# Altium PCB RaspberryHatBoard1.PcbDoc (part 3 of 3) (continued)
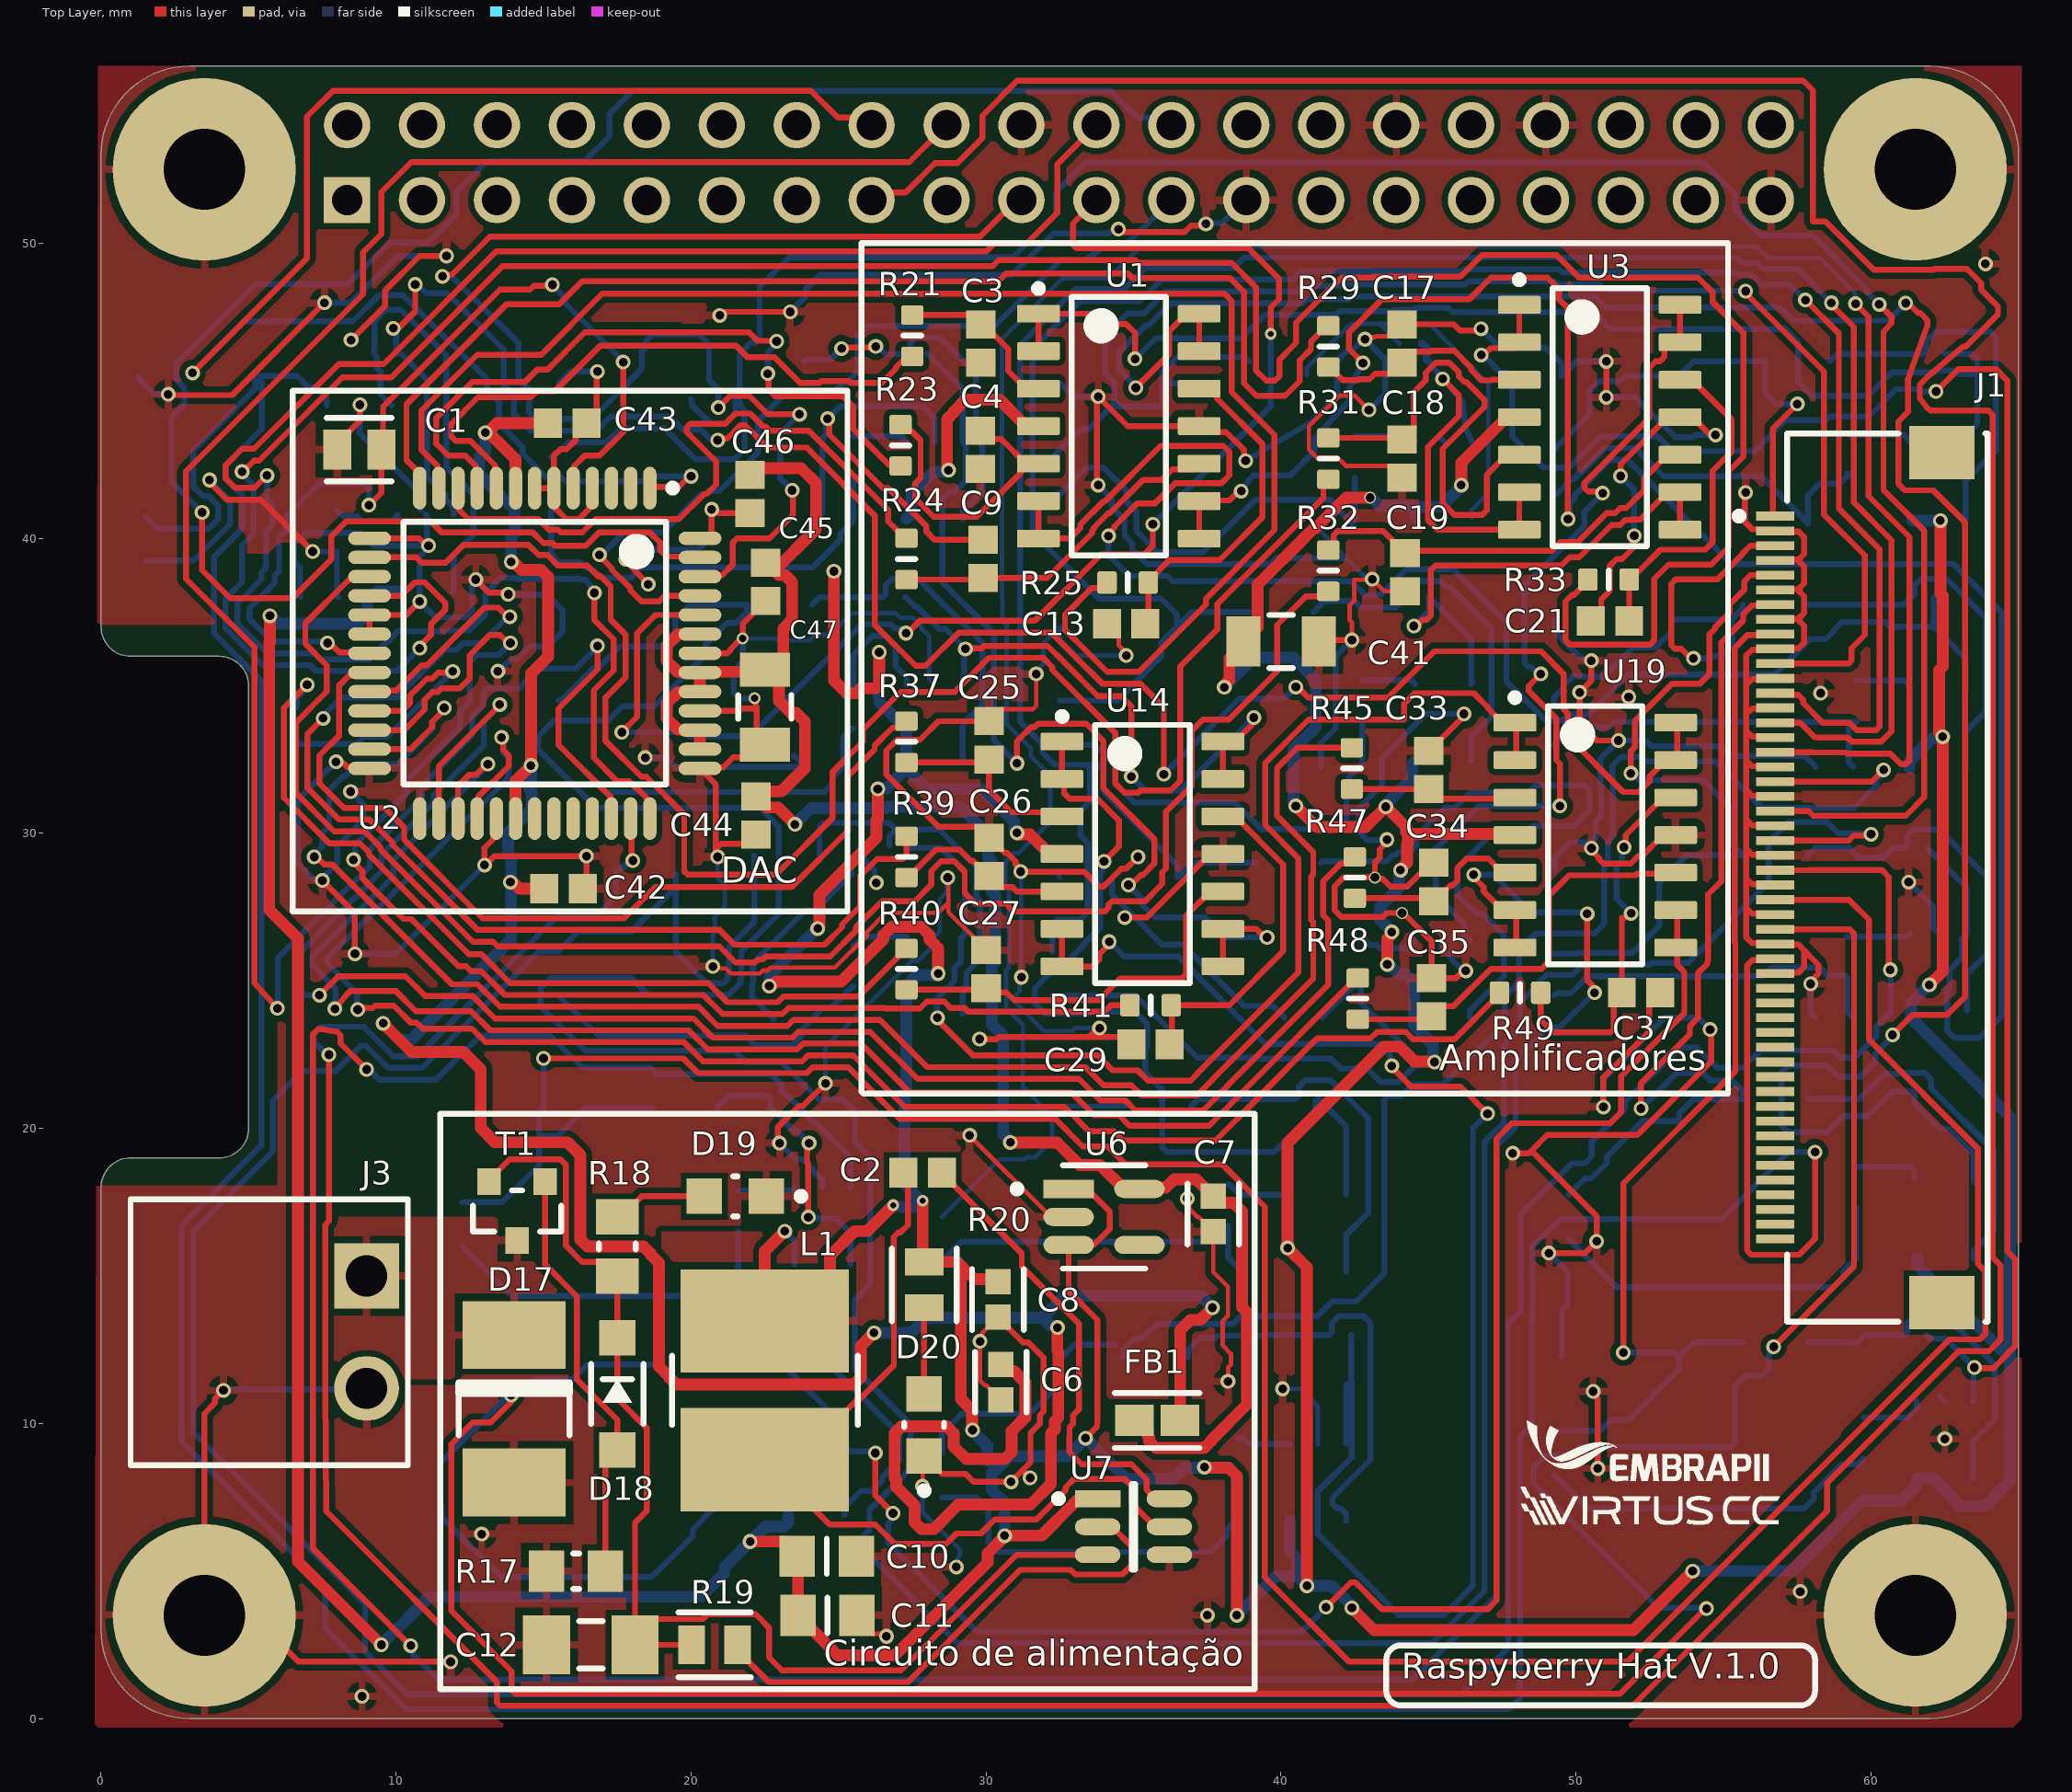
[diagram p0: Top Layer view]
## Nets (pads, with @x,y where several pads share a name; then routed paths per layer and width w, separated by ;. In a path a pad name is that pad's centre, name@x,y a point inside that pad or via, vN(x,y) a via of type N, cw(c..) or ccw(c..) an arc to the next point about the centre after c; other vN are vias at no path point) (continued)
NetC12_1: C12.1 D18.1 R18.2 R19.2 T1.2 U7.3 | length 42
  Top Layer w0.2: T1.2@13.15,18.2 13.15,18.25 13.85,18.95 15.574,18.95 15.75,18.774 15.75,16.027 16.304,15.473 17.027,15.473 R18.2@17.5,15 D18.1@17.5,12.905 17.5,10.844 18.491,9.853 18.491,7.03 18.1,6.639 C12.1@18.1,2.7 ; R19.2@20.024,2.5 C12.1@18.1,2.5 C12.1@18.1,2.7 ; U7.3@33.784,5.55 31.025,5.55 27.114,1.639 23.079,1.639 22.644,2.074 22.644,3.079 22.187,3.536 20.561,3.536 20.399,3.373 18.773,3.373 C12.1@18.1,2.7
NetC13_1: C13.1 R25.2 U1.12 | length 11.8
  Top Layer w0.2: C13.1@35.4,37.1 35.5,37.2 35.5,38.55 36.211,39.261 37.915,39.261 39.375,40.721 39.375,43.184 37.823,44.736 37.823,44.897 37.65,45.07 U1.12@37.225,45.07
NetC14_1: C14.1 CH2_I.1 R26.2 | length 12.3
  Bottom Layer w0.2: CH2_I.1@49.25,33 49.261,33 49.572,33.311 49.742,33.311 50.023,33.592 51.109,33.592 51.297,33.78 R26.2@59.5,33.78 ; C14.1@59.4,32.25 59.247,32.403 59.247,33.577 R26.2@59.45,33.78
NetC15_1: C15.1 CH3_I.1 R27.2 | length 11.9
  Bottom Layer w0.2: CH3_I.1@49.25,24.5 49.327,24.577 49.824,24.577 50.397,25.15 56.316,25.15 56.616,25.45 58.261,25.45 58.52,25.191 59.109,25.191 R27.2@59.2,25.1 59.2,23.95 C15.1@59.4,23.75
NetC16_1: C16.1 CH4_I.1 R28.2 | length 12.7
  Bottom Layer w0.2: CH4_I.1@49.75,16.25 51.381,14.619 58.733,14.619 59.052,14.938 59.052,15.152 C16.1@59.4,15.5 59.5,15.6 R28.2@59.5,17.3
NetC17_1: C17.1 R29.2 U3.3 | length 7.5
  Top Layer w0.2: R29.2@41.6,45.8 41.65,45.8 42.091,45.359 42.592,45.359 42.622,45.389 43.003,45.389 43.188,45.575 43.725,45.575 C17.1@44.1,45.95 ; C17.1@44.125,45.95 44.5,46.325 45.057,46.325 45.081,46.35 45.868,46.35 46.448,45.771 46.448,45.696 46.793,45.35 47.128,45.35 47.153,45.375 48.07,45.375 U3.3@48.075,45.37
NetC18_1: C18.1 R31.2 U3.5 | length 16.2
  Top Layer w0.2: R31.2@41.6,43.4 44.175,43.4 44.5,43.725 44.5,44.951 44.9,45.351 44.9,45.603 45.247,45.95 45.703,45.95 46.025,45.628 46.025,45.487 46.216,45.296 46.282,45.296 46.896,44.682 46.896,44.45 45.481,43.034 45.481,41.189 45.876,40.794 46.824,40.794 46.973,40.943 46.973,42.153 47.65,42.83 U3.5@48.075,42.83
NetC19_1: C19.1 R32.2 U3.10 | length 14.2
  Top Layer w0.2: R32.2@41.6,39.6 41.781,39.781 41.781,40.105 41.925,40.25 43.45,40.25 44.121,39.579 49.179,39.579 49.469,39.869 50.053,39.869 51.034,40.85 51.325,40.85 51.5,41.025 51.703,41.025 52.301,41.624 52.301,42.031 53.1,42.83 U3.10@53.525,42.83
NetC20_1: C20.1 CH5_I.1 R30.1 | length 11.8
  Bottom Layer w0.2: CH5_I.1@49.25,8.25 50.381,7.119 57.733,7.119 58.052,7.438 58.052,7.652 C20.1@58.4,8 ; C20.1@58.4,8.025 58.989,8.614 59.564,8.614 R30.1@59.75,8.8
NetC21_1: C21.1 R33.2 U3.12 | length 11.5
  Top Layer w0.2: C21.1@51.8,37.2 51.8,38.65 52.003,38.853 52.102,38.853 52.862,39.613 54.376,39.613 54.627,39.864 54.627,42.285 55.275,42.933 55.275,44.025 54.123,45.177 54.123,45.197 53.95,45.37 U3.12@53.525,45.37
NetC22_1: C22.1 CH6_I.1 R34.1 | length 15.1
  Bottom Layer w0.2: CH6_I.1@32.25,41.25 33.4,42.4 33.978,42.4 34.75,41.628 34.75,41.25 35.1,40.9 35.1,40.247 35.475,39.872 35.475,39.847 35.797,39.525 37.353,39.525 39.128,41.3 41.699,41.3 41.875,41.124 41.875,41.05 42.413,40.513 42.5,40.6 R34.1@42.5,42.05
NetC23_1: C23.1 CH7_I.1 R35.1 | length 15.1
  Bottom Layer w0.2: CH7_I.1@32.5,33 33.684,33 34.375,32.309 34.375,31.697 35.022,31.05 38.423,31.05 39.323,30.15 42.108,30.15 42.225,30.267 42.225,31.241 42.302,31.318 42.302,31.902 42.75,32.35 R35.1@42.75,33.8
NetC24_1: C24.1 CH8_I.1 R36.1 | length 19.3
  Bottom Layer w0.2: CH8_I.1@32.25,24.5 35.068,24.5 37.168,22.4 39.218,22.4 39.257,22.361 41.689,22.361 42.025,22.025 42.926,22.025 43.38,21.571 43.981,21.571 44.598,22.189 44.598,22.355 42.7,24.253 R36.1@42.7,25 ; C24.1@41.4,23.75 41.4,23.775 42.472,24.847 42.547,24.847 R36.1@42.7,25 ; R36.1@42.75,25.05 R36.1@42.7,25
NetC25_1: C25.1 R37.2 U14.3 | length 6.6
  Top Layer w0.2: R37.2@27.3,32.4 C25.1@30,32.4 ; C25.1@30.1,32.5 30.1,32.4 30.1,31.475 30.862,30.713 32.432,30.713 U14.3@32.575,30.57
NetC26_1: C26.1 R39.2 U14.5 | length 6.3
  Top Layer w0.2: R39.2@27.3,28.5 27.35,28.5 28.3,29.45 29.094,29.45 29.468,29.075 29.55,29.075 30.45,28.175 30.897,28.175 31.047,28.025 32.57,28.025 U14.5@32.575,28.03
NetC27_1: C27.1 R40.2 U14.10 | length 13.6
  Top Layer w0.2: R40.2@27.3,24.7 29.95,24.7 C27.1@30,24.75 30.135,24.615 30.683,24.615 30.948,24.35 33.818,24.35 34.543,25.075 36.631,25.075 36.78,25.224 36.78,27.21 37.6,28.03 U14.10@38.025,28.03
NetC28_1: C28.1 CH9_I.1 R38.1 | length 11.5
  Bottom Layer w0.2: CH9_I.1@28.5,15.5 29.162,16.162 38.2,16.162 ; R38.1@38.2,16.7 38.2,16.162 ; C28.1@38.5,15.35 38.473,15.35 38.2,15.623 38.2,16.162
NetC29_1: C29.1 R41.2 U14.12 | length 11.7
  Top Layer w0.2: R41.2@36.275,24.175 38.244,24.175 40.075,26.006 40.075,28.945 38.45,30.57 U14.12@38.025,30.57 ; C29.1@36.3,22.5 R41.2@36.3,24
NetC30_1: C30.1 CH10_I.1 R42.1 | length 13.4
  Bottom Layer w0.2: CH10_I.1@28.5,7.5 29.668,7.5 30.075,7.093 30.075,5.972 30.397,5.65 37.614,5.65 38.152,6.188 38.152,6.402 C30.1@38.5,6.75 R42.1@38.5,8.1
NetC31_1: C31.1 CH11_I.1 R43.1 | length 14.8
  Bottom Layer w0.2: CH11_I.1@15.25,41.25 15.25,39.461 15.522,39.189 16.258,39.189 16.447,39 16.565,39 16.677,38.888 16.734,38.888 16.964,38.658 17.948,38.658 18.309,39.019 24.133,39.019 25.052,39.938 25.052,40.152 C31.1@25.4,40.5 25.5,40.6 R43.1@25.5,42.05
NetC32_1: C32.1 CH12_I.1 R44.1 | length 12.3
  Bottom Layer w0.2: CH12_I.1@15.5,33 17.1,31.4 24.514,31.4 24.802,31.688 24.802,31.902 C32.1@25.15,32.25 25.15,33.25 25.45,33.55 R44.1@25.5,33.55
NetC33_1: C33.1 R45.2 U19.3 | length 5.7
  Top Layer w0.2: R45.2@42.4,31.5 C33.1@45,31.5 45.33,31.17 U19.3@47.975,31.17
NetC34_1: C34.1 R47.2 U19.5 | length 6.6
  Top Layer w0.2: R47.2@42.5,27.8 44.9,27.8 45,27.7 45.2,27.7 45.725,28.225 45.799,28.225 45.975,28.401 45.975,28.828 46.297,29.15 47.02,29.15 47.54,28.63 U19.5@47.975,28.63
NetC35_1: C35.1 R48.2 U19.10 | length 14.2
  Top Layer w0.2: R48.2@42.6,23.7 45,23.7 45.448,24.148 45.848,24.148 47.109,25.409 48.828,25.409 49.081,25.662 49.081,27.892 49.767,28.578 52.015,28.578 52.067,28.63 U19.10@53.425,28.63
NetC36_1: C36.1 CH13_I.1 R46.1 | length 11.6
  Bottom Layer w0.2: CH13_I.1@15.5,24.5 16.859,23.141 21.845,23.141 22.167,22.819 23.433,22.819 23.752,23.138 23.752,23.352 C36.1@24.1,23.7 ; C36.1@24.1,23.725 24.448,24.073 24.723,24.073 25.45,24.8 R46.1@25.5,24.8
NetC37_1: C37.1 R49.2 U19.12 | length 13.1
  Top Layer w0.2: R49.2@48.8,24.6 48.8,23.675 49.225,23.25 51.158,23.25 51.275,23.367 51.275,24.325 C37.1@51.55,24.6 51.55,27.142 51.651,27.142 51.8,27.29 v1(51.866,27.29) ; v1(51.622,29.528) 51.679,29.586 51.679,29.939 52.91,31.17 U19.12@53.425,31.17
  Bottom Layer w0.2: v1(51.622,29.528) 51.564,29.471 51.564,29.068 51.375,28.878 51.375,27.782 v1(51.866,27.29)
NetC38_1: C38.1 CH14_I.1 R50.1 | length 11.9
  Bottom Layer w0.2: CH14_I.1@12.25,16 13.931,14.319 20.983,14.319 21.302,14.638 21.302,14.852 C38.1@21.65,15.2 21.6,15.25 R50.1@21.6,16.5
NetC39_1: C39.1 CH15_I.1 R51.1 | length 12.8
  Bottom Layer w0.2: CH15_I.1@11.5,7.25 11.54,7.21 11.54,6.835 13.575,4.8 18.664,4.8 20.052,6.188 20.052,6.402 C39.1@20.4,6.75 20.4,6.775 20.748,7.123 21.069,7.123 21.651,7.705 R51.1@21.701,7.705
NetC40_1: C40.1 CH16_I.1 R52.1 | length 12
  Top Layer w0.2: v1(3.677,41.974) 3.677,41.897 4.269,41.305 5.42,41.305 v1(7.175,39.55)
  Bottom Layer w0.2: CH16_I.1@1.5,39.25 3.143,39.25 4.375,40.482 4.375,41.277 v1(3.677,41.974) ; v1(7.175,39.55) 7.85,39.55 R52.1@7.884,39.584 ; R52.1@8,39.55 8,38.05 C40.1@8.05,38
NetD18_2: D18.2 R17.2 T1.1 | length 14.4
  Top Layer w0.2: T1.1@15.05,18.2 15.05,15.389 16.131,14.308 16.131,11.494 17.5,10.125 D18.2@17.5,9.095 17.1,8.695 R17.2@17.1,5
NetD19_2: D19.2 R18.1 | length 3.2
  Top Layer w0.2: R18.1@17.5,17 17.625,17 18.325,17.7 D19.2@20.45,17.7
NetD20_2: D20.2 R20.1 | length 2.9
  Top Layer w0.2: D20.2@27.9,11 R20.1@27.9,13.924
NetR19_1: R19.1 U7.2 | length 17.8
  Top Layer w0.2: R19.1@21.576,2.5 21.576,2.298 22.636,1.239 27.348,1.239 31.151,5.042 32.867,5.042 33.023,4.886 34.623,4.886 34.935,5.199 34.935,5.836 34.271,6.5 U7.2@33.784,6.5
NetR21_2: R21.2 U2.9 | length 20.4
  Top Layer w0.2: U2.9@13.4,41.7 13.352,41.748 13.352,42.47 12.516,43.306 12.013,43.306 11.864,43.455 11.864,43.864 12.781,44.781 14.572,44.781 14.768,44.977 15.374,44.977 16.917,46.52 21.527,46.52 21.917,46.13 22.828,46.13 23.689,45.269 24.349,45.269 24.402,45.322 25.346,45.322 25.399,45.269 26.469,45.269 26.947,45.747 26.947,45.797 27.15,46 R21.2@27.2,46
NetR22_2: R22.2 U8.1 | length 2.1
  Bottom Layer w0.2: R22.2@59.25,43.5 61.127,43.5 61.3,43.327 U8.1@61.3,43.3
NetR23_1: R23.1 U2.10 | length 23.9
  Top Layer w0.2: U2.10@12.75,41.7 12.712,41.738 12.712,42.376 12.702,42.387 12.702,42.449 12.349,42.802 11.762,42.802 11.36,43.204 11.36,44.073 12.576,45.289 14.362,45.289 14.782,45.71 15.13,45.71 16.395,46.974 21.966,46.974 22.25,46.69 22.886,46.69 v1(22.9,46.676) ; v1(22.6,45.58) 22.624,45.556 22.624,45.03 22.844,44.81 24.608,44.81 24.612,44.814 25.135,44.814 25.505,44.445 25.505,43.685 26.702,42.488 R23.1@27.112,42.488
  Bottom Layer w0.2: v1(22.6,45.58) 22.6,46.294 22.9,46.594 v1(22.9,46.676)
NetR24_1: R24.1 U2.11 | length 22.4
  Top Layer w0.2: U2.11@12.1,41.7 12.138,41.662 12.138,40.955 12.447,40.646 14.826,40.646 15.18,40.292 15.485,40.292 15.583,40.194 16.31,40.194 16.762,40.646 19.59,40.646 20.444,41.5 20.528,41.5 20.85,41.822 20.85,42.597 19.855,43.592 19.855,43.758 19.972,43.875 21.153,43.875 21.505,44.227 22.002,44.227 22.451,43.779 22.527,43.779 22.658,43.648 23.986,43.648 26.677,40.957 26.677,40.573 27.25,40 R24.1@27.3,40
NetR25_1: R25.1 U2.12 | length 52.6
  Top Layer w0.2: U2.12@11.45,41.7 11.412,41.738 11.412,42.376 11.402,42.387 11.402,42.449 10.856,42.995 10.856,44.331 12.743,46.218 14.92,46.218 16.989,48.287 38.076,48.287 38.157,48.206 38.163,48.206 38.327,48.042 38.327,44.95 39.775,43.502 39.775,40.275 37.447,37.947 37.447,37.748 35.174,35.475 34.1,35.475 33.45,36.125 32.675,36.9 32.675,37.402 33.59,38.317 33.917,38.317 R25.1@34.1,38.5
NetR26_1: R26.1 U9.1 | length 2.1
  Bottom Layer w0.2: R26.1@59.5,35.18 61.127,35.18 61.3,35.007 U9.1@61.3,34.8
NetR27_1: R27.1 U10.1 | length 2.2
  Bottom Layer w0.2: R27.1@59.2,26.5 61.25,26.5 U10.1@61.35,26.6
NetR28_1: R28.1 U11.1 | length 2.3
  Bottom Layer w0.2: R28.1@59.5,18.7 61.317,18.7 61.467,18.55 U11.1@61.467,18.3
NetR29_1: R29.1 U2.13 | length 41.2
  Top Layer w0.2: U2.13@10.8,41.7 10.736,41.764 10.736,42.264 10.352,42.648 10.352,44.54 13.736,47.924 15.521,47.924 16.31,48.713 30.424,48.713 30.69,48.979 34.795,48.979 34.95,48.824 38.263,48.824 38.746,48.342 38.746,45.25 39.165,44.831 40.131,44.831 40.631,45.331 40.631,46.028 41.013,46.41 41.013,46.663 41.55,47.2 R29.1@41.6,47.2
NetR30_2: R30.2 U4.1 | length 2.2
  Bottom Layer w0.2: R30.2@59.75,10.2 61.25,10.2 61.55,10.5 U4.1@61.55,10.75
NetR31_1: R31.1 U2.15 | length 56.9
  Top Layer w0.2: U2.15@9.1,39.35 10.684,39.35 10.861,39.173 11.68,39.173 12.278,39.771 14.493,39.771 14.834,39.43 15.128,39.43 15.488,39.07 16.488,39.07 16.835,38.722 16.927,38.722 17.275,38.375 17.275,37.244 17.775,36.744 17.775,35.275 17.1,34.6 17.1,33.131 18.306,31.925 18.478,31.925 19.769,30.634 19.769,28.717 19.886,28.6 22.875,28.6 24.8,30.525 24.8,32.085 25.82,33.105 25.82,33.515 27.099,34.794 28.935,34.794 30.091,35.95 31.928,35.95 32.25,35.628 32.25,35.535 34.375,33.41 34.375,31.697 34.697,31.375 35.153,31.375 35.228,31.45 36.253,31.45 36.575,31.772 36.575,35.652 37.847,36.924 37.847,37.782 41.435,41.37 41.435,41.835 R31.1@41.6,42
NetR32_1: R32.1 U2.16 | length 57.4
  Top Layer w0.2: U2.16@8.9,38.662 8.495,38.662 8.407,38.575 8.383,38.575 6.925,37.117 6.925,36.422 7.65,35.697 7.65,34.803 6.6,33.753 6.6,31.366 7.9,30.065 8.936,30.065 9.475,29.527 9.475,29.451 12.601,26.325 13.285,26.325 13.445,26.165 20.965,26.165 21.505,25.625 22.177,25.625 22.277,25.725 22.429,25.725 22.529,25.825 24.718,25.825 25.584,26.691 25.584,26.814 26.47,27.7 27.586,27.7 28.15,28.264 28.15,28.728 28.472,29.05 28.928,29.05 29.277,28.701 29.277,27.974 29.626,27.625 30.683,27.625 30.8,27.508 30.8,27.477 30.917,27.36 34.033,27.36 34.15,27.477 34.15,27.583 34.267,27.7 35.388,27.7 35.975,28.287 35.975,28.681 36.1,28.807 36.1,30.732 36.975,31.607 36.975,33.479 37.349,33.853 38.225,33.853 39.867,35.495 39.867,37.061 40.839,38.032 41.432,38.032 R32.1@41.6,38.2
NetR33_1: R33.1 U2.17 | length 97.3
  Top Layer w0.2: v1(4.78,42.255) 4.805,42.255 5.182,42.632 5.354,42.632 8.175,45.453 9.84,45.453 13.604,49.217 30.216,49.217 30.424,49.425 35.062,49.425 35.159,49.328 38.325,49.328 39.146,48.507 39.146,45.689 39.496,45.339 39.792,45.339 39.941,45.488 39.941,46.051 40.509,46.619 40.509,47.304 42.039,48.834 43.104,48.834 43.13,48.86 46.077,48.86 46.808,49.591 49.342,49.591 49.751,49.182 50.099,48.834 54.129,48.834 54.634,48.329 54.634,47.997 55.675,46.956 55.675,42.767 55.175,42.267 55.175,39.699 54.585,39.109 53.134,39.109 52.652,38.627 52.652,36.544 52.508,36.4 49.786,36.4 49.644,36.542 49.644,37.858 49.867,38.081 49.931,38.081 50.4,38.55 R33.1@50.4,38.6 ; U2.17@9.1,38.05 10.177,38.05 10.633,38.506 10.967,38.506 11.677,37.796 11.677,37.586 11.182,37.091 11.182,36.72 10.801,36.34 v1(10.801,36.273)
  Bottom Layer w0.2: v1(4.78,42.255) 4.78,42.192 5.175,41.797 5.175,40.15 4.785,39.76 4.785,38.519 4.225,37.959 4.225,36.941 5.466,35.7 7.082,35.7 7.282,35.5 10.028,35.5 v1(10.801,36.273)
NetR34_2: R34.2 U5.1 | length 2.1
  Bottom Layer w0.2: R34.2@42.5,43.45 44.4,43.45 U5.1@44.55,43.3
NetR35_2: R35.2 U12.1 | length 1.9
  Bottom Layer w0.2: R35.2@42.75,35.2 44.4,35.2 U12.1@44.55,35.05
NetR36_2: R36.2 U13.1 | length 2
  Bottom Layer w0.2: R36.2@42.75,26.45 42.98,26.22 43.239,26.22 43.352,26.106 44.3,26.106 44.5,26.306 U13.1@44.5,26.35
NetR37_1: R37.1 U2.21 | length 30.8
  Top Layer w0.2: U2.21@9.1,35.45 8.532,35.45 8.407,35.325 8.383,35.325 8.075,35.017 8.075,33.315 7.4,32.64 7.4,31.697 8.232,30.865 9.609,30.865 10.275,30.2 10.275,29.783 12.933,27.125 17.725,27.125 18.775,28.175 23.4,28.175 25.308,30.083 25.308,31.931 26.22,32.843 26.22,32.972 26.818,33.57 27.07,33.57 R37.1@27.3,33.8
NetR38_2: R38.2 U15.1 | length 2.2
  Bottom Layer w0.2: R38.2@38.2,18.1 38.25,18.1 38.6,17.75 U15.1@40.3,17.75
NetR39_1: R39.1 U2.22 | length 41.6
  Top Layer w0.2: v1(7.525,33.9) 7,33.375 7,31.532 8.066,30.465 9.102,30.465 9.875,29.692 9.875,29.617 12.767,26.725 20.97,26.725 21.47,26.225 24.523,26.225 25.125,26.827 25.125,26.921 25.728,27.523 25.728,28.55 26.308,29.13 27.183,29.13 27.3,29.247 R39.1@27.3,29.9 ; U2.22@9.1,34.8 9.138,34.838 9.997,34.838 10.856,35.696 11.04,35.696 12.994,37.65 13.466,37.65 13.773,37.343 v1(13.854,37.343)
  Bottom Layer w0.2: v1(7.525,33.9) 7.525,33.975 8.15,34.6 10.025,34.6 11.64,36.215 12.042,36.215 12.271,36.444 12.891,36.444 13.79,37.343 v1(13.854,37.343)
NetR40_1: R40.1 U2.23 | length 41
  Top Layer w0.2: v1(6.986,35.036) 6.2,34.25 6.2,31.2 7.735,29.665 8.771,29.665 9.075,29.361 9.075,29.285 12.46,25.9 12.893,25.9 13.868,24.925 20.583,24.925 21.233,24.275 22.933,24.275 23.133,24.475 25.675,24.475 R40.1@27.3,26.1 ; U2.23@9.1,34.15 10.206,34.15 10.465,34.409 10.465,34.663 11.044,35.242 11.229,35.242 11.426,35.439 11.872,35.439 v1(11.92,35.486)
  Bottom Layer w0.2: v1(6.986,35.036) 6.986,34.955 6.641,34.61 6.641,34.313 6.5,34.171 6.5,33.222 6.692,33.03 8.679,33.03 8.924,33.275 9.708,33.275 v1(11.92,35.486)
NetR41_1: R41.1 U2.24 | length 45.8
  Top Layer w0.2: v1(8.557,29.102) 8.557,29.021 8.859,28.718 8.859,28.485 10.247,27.096 10.517,27.096 12.114,25.5 12.367,25.5 12.537,25.33 12.882,25.33 13.687,24.525 20.417,24.525 21.067,23.875 23.098,23.875 23.298,24.075 26.572,24.075 26.577,24.07 27.756,24.07 27.986,24.3 28.578,24.3 28.803,24.075 29.276,24.075 29.401,23.95 34.006,23.95 34.056,24 ; U2.24@9.1,33.5 10.274,33.5 10.973,34.198 10.973,34.529 11.232,34.788 11.417,34.788 11.538,34.909 12.159,34.909 12.497,35.247 12.497,36.041 13.175,36.719 13.525,36.719 13.794,36.45 v1(13.875,36.45) ; 34.131,24.075 34.231,24.175 R41.1@34.875,24.175
  Bottom Layer w0.2: v1(8.557,29.102) 8.614,29.159 8.614,29.614 10.374,31.374 10.374,31.816 12.175,33.617 12.175,34.134 12.497,34.456 12.497,35.812 12.728,36.044 13.469,36.044 v1(13.875,36.45)
NetR42_2: R42.2 U16.1 | length 1.9
  Bottom Layer w0.2: R42.2@38.5,9.5 38.71,9.5 38.91,9.3 U16.1@40.3,9.3
NetR43_2: R43.2 U17.1 | length 1.9
  Bottom Layer w0.2: R43.2@25.5,43.45 27.127,43.45 27.3,43.277 U17.1@27.3,43.25
NetR44_2: R44.2 U18.1 | length 4.4
  Bottom Layer w0.2: R44.2@25.5,34.95 25.5,36.042 26.147,36.689 26.603,36.689 26.925,36.367 26.925,35.675 27.3,35.3 U18.1@27.3,35.05
NetR45_1: R45.1 U2.25 | length 60.5
  Top Layer w0.2: v1(7.225,29.2) 7.306,29.2 7.556,28.95 7.828,28.95 11.894,24.884 12.762,24.884 13.521,24.125 20.252,24.125 20.902,23.475 23.264,23.475 23.464,23.675 26.406,23.675 28.004,22.077 33.367,22.077 33.983,21.461 34.929,21.461 35.279,21.111 37.143,21.111 37.664,21.632 37.664,21.651 41.091,25.078 41.091,26.992 41.02,27.063 41.02,28.537 41.091,28.608 41.091,29.366 39.859,30.598 39.859,32.209 40.55,32.9 R45.1@42.4,32.9 ; U2.25@9.1,32.85 10.483,32.85 11.222,33.588 11.222,33.777 11.63,34.185 v1(11.63,34.252)
  Bottom Layer w0.2: v1(7.225,29.2) 7.225,29.281 7.497,29.553 7.497,29.997 7.734,30.234 7.734,31.468 8.191,31.925 8.253,31.925 8.678,32.35 10.05,32.35 11.255,33.555 11.255,33.81 11.63,34.185 v1(11.63,34.252)
NetR46_2: R46.2 U20.1 | length 1.9
  Bottom Layer w0.2: R46.2@25.5,26.2 25.55,26.2 25.85,26.5 U20.1@27.3,26.5
NetR47_1: R47.1 U2.28 | length 61.2
  Top Layer w0.2: v1(7.4,24.512) 8.044,25.156 10.319,25.156 10.991,24.484 12.597,24.484 13.356,23.725 20.086,23.725 20.736,23.075 23.43,23.075 23.63,23.275 26.077,23.275 27.675,21.677 33.147,21.677 33.871,20.953 34.718,20.953 35.068,20.603 37.354,20.603 38.172,21.421 38.172,21.44 41.599,24.867 41.599,27.049 41.42,27.228 41.42,28.372 42.018,28.97 42.27,28.97 R47.1@42.5,29.2 ; U2.28@11.45,30.5 11.45,32.278 13.511,34.339 v1(13.511,34.367)
  Bottom Layer w0.2: v1(7.4,24.512) 6.883,24.512 6.765,24.63 6.765,25.986 8.588,27.808 8.606,27.808 9.507,28.708 9.507,29.269 11.278,31.04 11.278,31.295 12.975,32.992 12.975,33.803 13.511,34.339 v1(13.511,34.367)
NetR48_1: R48.1 U2.29 | length 52.6
  Top Layer w0.2: v1(7.926,24.051) 8.342,24.554 8.44,24.652 9.997,24.652 10.673,23.976 12.539,23.976 13.19,23.325 19.92,23.325 20.57,22.675 23.595,22.675 23.795,22.875 25.765,22.875 27.424,21.216 32.89,21.216 33.661,20.445 34.508,20.445 34.858,20.095 37.564,20.095 38.68,21.211 38.68,21.23 42.55,25.1 R48.1@42.6,25.1 ; U2.29@12.1,30.5 12.1,31.606 12.472,31.978 12.7,31.978 13.067,32.345 v1(13.11,32.345)
  Bottom Layer w0.2: v1(7.926,24.051) 7.95,24.075 7.95,24.74 7.165,25.525 7.165,25.82 8.753,27.408 8.772,27.408 9.907,28.542 9.907,29.103 13.11,32.307 v1(13.11,32.345)
NetR49_1: R49.1 U2.30 | length 58.8
  Top Layer w0.2: v1(8.7,24.025) 8.757,24.082 9.207,24.082 9.284,24.16 9.924,24.16 10.507,23.576 10.702,23.576 10.903,23.375 12.574,23.375 13.024,22.925 19.755,22.925 20.405,22.275 23.761,22.275 23.961,22.475 25.493,22.475 27.243,20.725 32.663,20.725 33.487,19.901 34.334,19.901 34.647,19.587 37.774,19.587 39.188,21.001 39.188,21.019 41.219,23.05 43.036,23.05 43.258,23.271 44.229,23.271 44.476,23.025 45.875,23.025 47.4,24.55 R49.1@47.4,24.6 ; U2.30@12.75,30.5 12.788,30.538 12.788,31.245 13.823,32.28 13.823,32.631 13.632,32.822 13.632,33.193 v1(13.575,33.25)
  Bottom Layer w0.2: v1(8.7,24.025) 8.681,24.044 8.681,24.575 7.666,25.59 7.666,25.755 8.919,27.008 8.938,27.008 13.823,31.893 13.823,32.545 13.632,32.735 13.632,33.193 v1(13.575,33.25)
NetR50_2: R50.2 U21.1 | length 1.9
  Bottom Layer w0.2: R50.2@21.6,17.9 23.4,17.9 U21.1@23.5,18
NetR51_2: R51.2 U22.1 | length 1.9
  Bottom Layer w0.2: R51.2@21.701,9.105 23.127,9.105 23.3,9.278 U22.1@23.3,9.5
NetR52_2: R52.2 U23.1 | length 2.3
  Bottom Layer w0.2: R52.2@8,40.95 8.211,40.739 8.68,40.739 8.85,40.569 9.85,40.569 10.05,40.769 U23.1@10.05,40.8
VCC: D17.1 J3.1 T1.3
pads on no net: J1.33 J1.34 J1.35 J1.36 J1.37 J1.38 J1.39 J1.40 J1.41 J1.42 J1.43 J1.44 J1.45 J1.46 J1.47 J1.48 J1.49 J1.50 J1.51 J1.52 P1.1 P1.2 P1.3 P1.4 P1.5 P1.7 P1.8 P1.9 P1.10 P1.11 P1.12 P1.13 P1.17 P1.26 P1.27 P1.28 P1.29 P1.31 P1.32 P1.33 P1.35 P1.36 P1.37 P1.38 P1.40 U2.2 U2.3 U2.33 U2.34 U2.35 U2.36 U6.4

## Polygon pours and split planes (outlines as drawn)
GND on Top Layer "GND_L01_P008" (solid, remove dead copper, pour order 8): -0.1,56 65.1,56 65.1,0 64.8,-0.3 -0.2,-0.3
VCC on Top Layer "VCC_L01_P006" (solid, pour order 6): 7,17 16.5,17 16.5,11.5 15.5,11.5 7,11.5
+5V_Ext on Top Layer "+5V_EXT_L01_P007" (solid, pour order 7): 19,11.5 29,11.5 29,15.775 34.5,15.775 34.5,19 31.5,19 31.5,16.5 19,16.5 19,15.5
GND on Bottom Layer "3" (solid, remove dead copper, pour order 9): 65.062,55.958 -0.438,55.958 -0.438,-0.042 65.062,-0.042
+5V_Ext on Bottom Layer "+5V_EXT_L02_P011" (solid, remove dead copper, pour order 11): 45.15,41.9 45.125,41.875 45.125,22.55 43.725,22.55 43.65,22.625 41.925,20.9 41.925,5.35 39.05,5.35 39.05,19.975 43.9,24.825 43.9,41.9
+5V_Ext on Bottom Layer "+5V_EXT_L02_P012" (solid, remove dead copper, pour order 12): 9.1,37.25 9.35,37.5 9.35,39.5 25.862,39.5 26.6,40.238 26.6,42.225 28.325,42.225 28.6,41.95 28.6,16.575 26.25,16.575 26.175,16.65 23.75,14.225 22.525,14.225 22.75,14.45 22.75,18.525 26.075,18.525 26.675,19.125 26.675,37.55 9.4,37.55 9.325,37.625
+5V_Ext on Bottom Layer "+5V_EXT_L02_P010" (solid, pour order 10): 62.325,41.65 62.3,41.625 60.35,41.625 60.35,7.175 60.45,7.075 60.475,7.1 62.75,7.1 62.75,41.65 62.725,41.675

## Other copper
Top Layer:
  pour cut-out: 46,21.25 46,3.75 43.5,3.75 43.5,21.25
  pour cut-out: -0.019,37.059 5.981,37.059 5.981,18.059 -0.019,18.059
Bottom Layer:
  pour cut-out: -0.5,37 5.5,37 5.5,18 -0.5,18
  pour cut-out: 46,21 46,3.5 43.5,3.5 43.5,21

## Silkscreen, mask and mechanical layers (free items; w line width, h text height)
Top Overlay:
  drawing of 44 lines, arcs and shapes, not listed
  text "DAC" at 21,28.017 h1.52
  text "Amplificadores" at 45.35,21.671 h1.52
  text "Circuito de alimentação" at 24.5,1.491 h1.5
  text "Raspyberry Hat V.1.0" at 44.075,1.058 h1.5
Bottom Overlay:
  lines w0.2: 0.25,37 0.25,47.371 13.5,47.371 13.5,37 0.25,37 ; 10.75,5.75 10.75,13.621 26.625,13.621 26.625,5.75 10.75,5.75 ; 10.75,14.25 10.75,22.121 26.625,22.121 26.625,14.25 10.75,14.25 ; 14.23,22.75 14.23,30.621 30.75,30.621 30.75,22.75 14.23,22.75 ; 14.23,31.25 14.23,39.121 30.75,39.121 30.75,31.25 14.23,31.25 ; 14.23,39.5 14.23,47.371 30.75,47.371 30.75,39.5 14.23,39.5 ; 27.23,5.75 27.23,13.621 43.5,13.621 43.5,5.75 27.23,5.75 ; 27.23,14.25 27.23,22.121 43.501,22.121 43.501,14.25 27.23,14.25 ; 31.23,22.75 31.23,30.621 47.75,30.621 47.75,22.75 31.23,22.75 ; 31.23,31.25 31.23,39.121 47.75,39.121 47.75,31.25 31.23,31.25 ; 31.23,39.5 31.23,47.371 47.75,47.371 47.75,39.5 31.23,39.5 ; 48.23,7 48.23,14.121 64.75,14.121 64.75,7 48.23,7 ; 48.23,14.5 48.23,22.371 64.75,22.371 64.75,14.5 48.23,14.5 ; 48.23,22.75 48.23,30.621 64.75,30.621 64.75,22.75 48.23,22.75 ; 48.23,31.25 48.23,39.121 64.75,39.121 64.75,31.25 48.23,31.25 ; 48.25,39.5 64.77,39.5 64.77,47.371 48.25,47.371 48.25,39.5
  text "Canal 11" at 16.975,40.007 h0.7
  text "Canal 6" at 33.775,40.007 h0.7
  text "Canal 1" at 50.763,39.876 h0.7
  text "Canal 16" at 3.218,37.507 h0.7
  text "Canal 7" at 33.775,31.757 h0.7
  text "Canal 2" at 50.773,31.757 h0.7
  text "Canal 12" at 17.216,31.707 h0.7
  text "Canal 8" at 33.57,23.257 h0.7
  text "Canal 3" at 50.775,23.258 h0.7
  text "Canal 13" at 17.118,23.208 h0.7
  text "Canal 4" at 50.774,15.007 h0.7
  text "Canal 14" at 13.567,14.682 h0.7
  text "Canal 9" at 29.77,14.657 h0.7
  text "Canal 5" at 50.572,7.207 h0.7
  text "Canal 10" at 30.217,6.257 h0.7
  text "Canal 15" at 13.645,6.182 h0.7
Mechanical 1:
  lines w0.127: 0,3 ccw(c3,3) 3,0 ; 0,18 cw(c1,18) 1,19 ; 0,37 ccw(c1,37) 1,36 ; 0,53 cw(c3,53) 3,56 ; 4,19 ccw(c4,20) 5,20 ; 4,36 cw(c4,35) 5,35 ; 62,0 ccw(c62,3) 65,3 ; 62,56 cw(c62,53) 65,53
  lines w0.2: 0,3 0,18 ; 0,37 0,53 ; 1,19 4,19 ; 1,36 4,36 ; 3,0 62,0 ; 3,56 62,56 ; 5,20 5,35 ; 7.87,50.73 8.87,51.73 ; 7.87,51.73 8.87,50.73 ; 32,52 33,53 ; 32,53 33,52 ; 65,3 65,53
Route Tool Path:
  lines w0.2: 45,4 45,19
  lines w2: 45,5 45,20
Docu:
  text "Connector alligment / Center 40p connector" at 27.5,48.5 h0.8
  text "Connector alligment / Pin1" at 8,46.5 h0.8
  text "Camera flex slot / Milling layer10" at 47,0.5 h0.8

## Dimensions
0,53 to 65,53 on Docu
62,56 to 62,0 on Docu
3,53 to 1,64 on Docu
5,35 to 0,30 on Docu
4,36 to 4,19 on Docu
4,36 to 3,56 on Docu
1,18 to 1,18 on Docu
0,18 to 45,4 on Docu
0,3 to 3.5,3.5 on Docu
3,0 to 3.5,3.5 on Docu